# Altium PCB PASTE.PcbDoc (part 7 of 7)
Units mil, origin at the board's own origin, x right, y up, seen from the top; angles counter-clockwise.
Board outline 16220 x 11870 mil, 2 copper layers (Top Layer, Bottom Layer); 340 components, 0 nets, 1500 pads, 1280 vias.
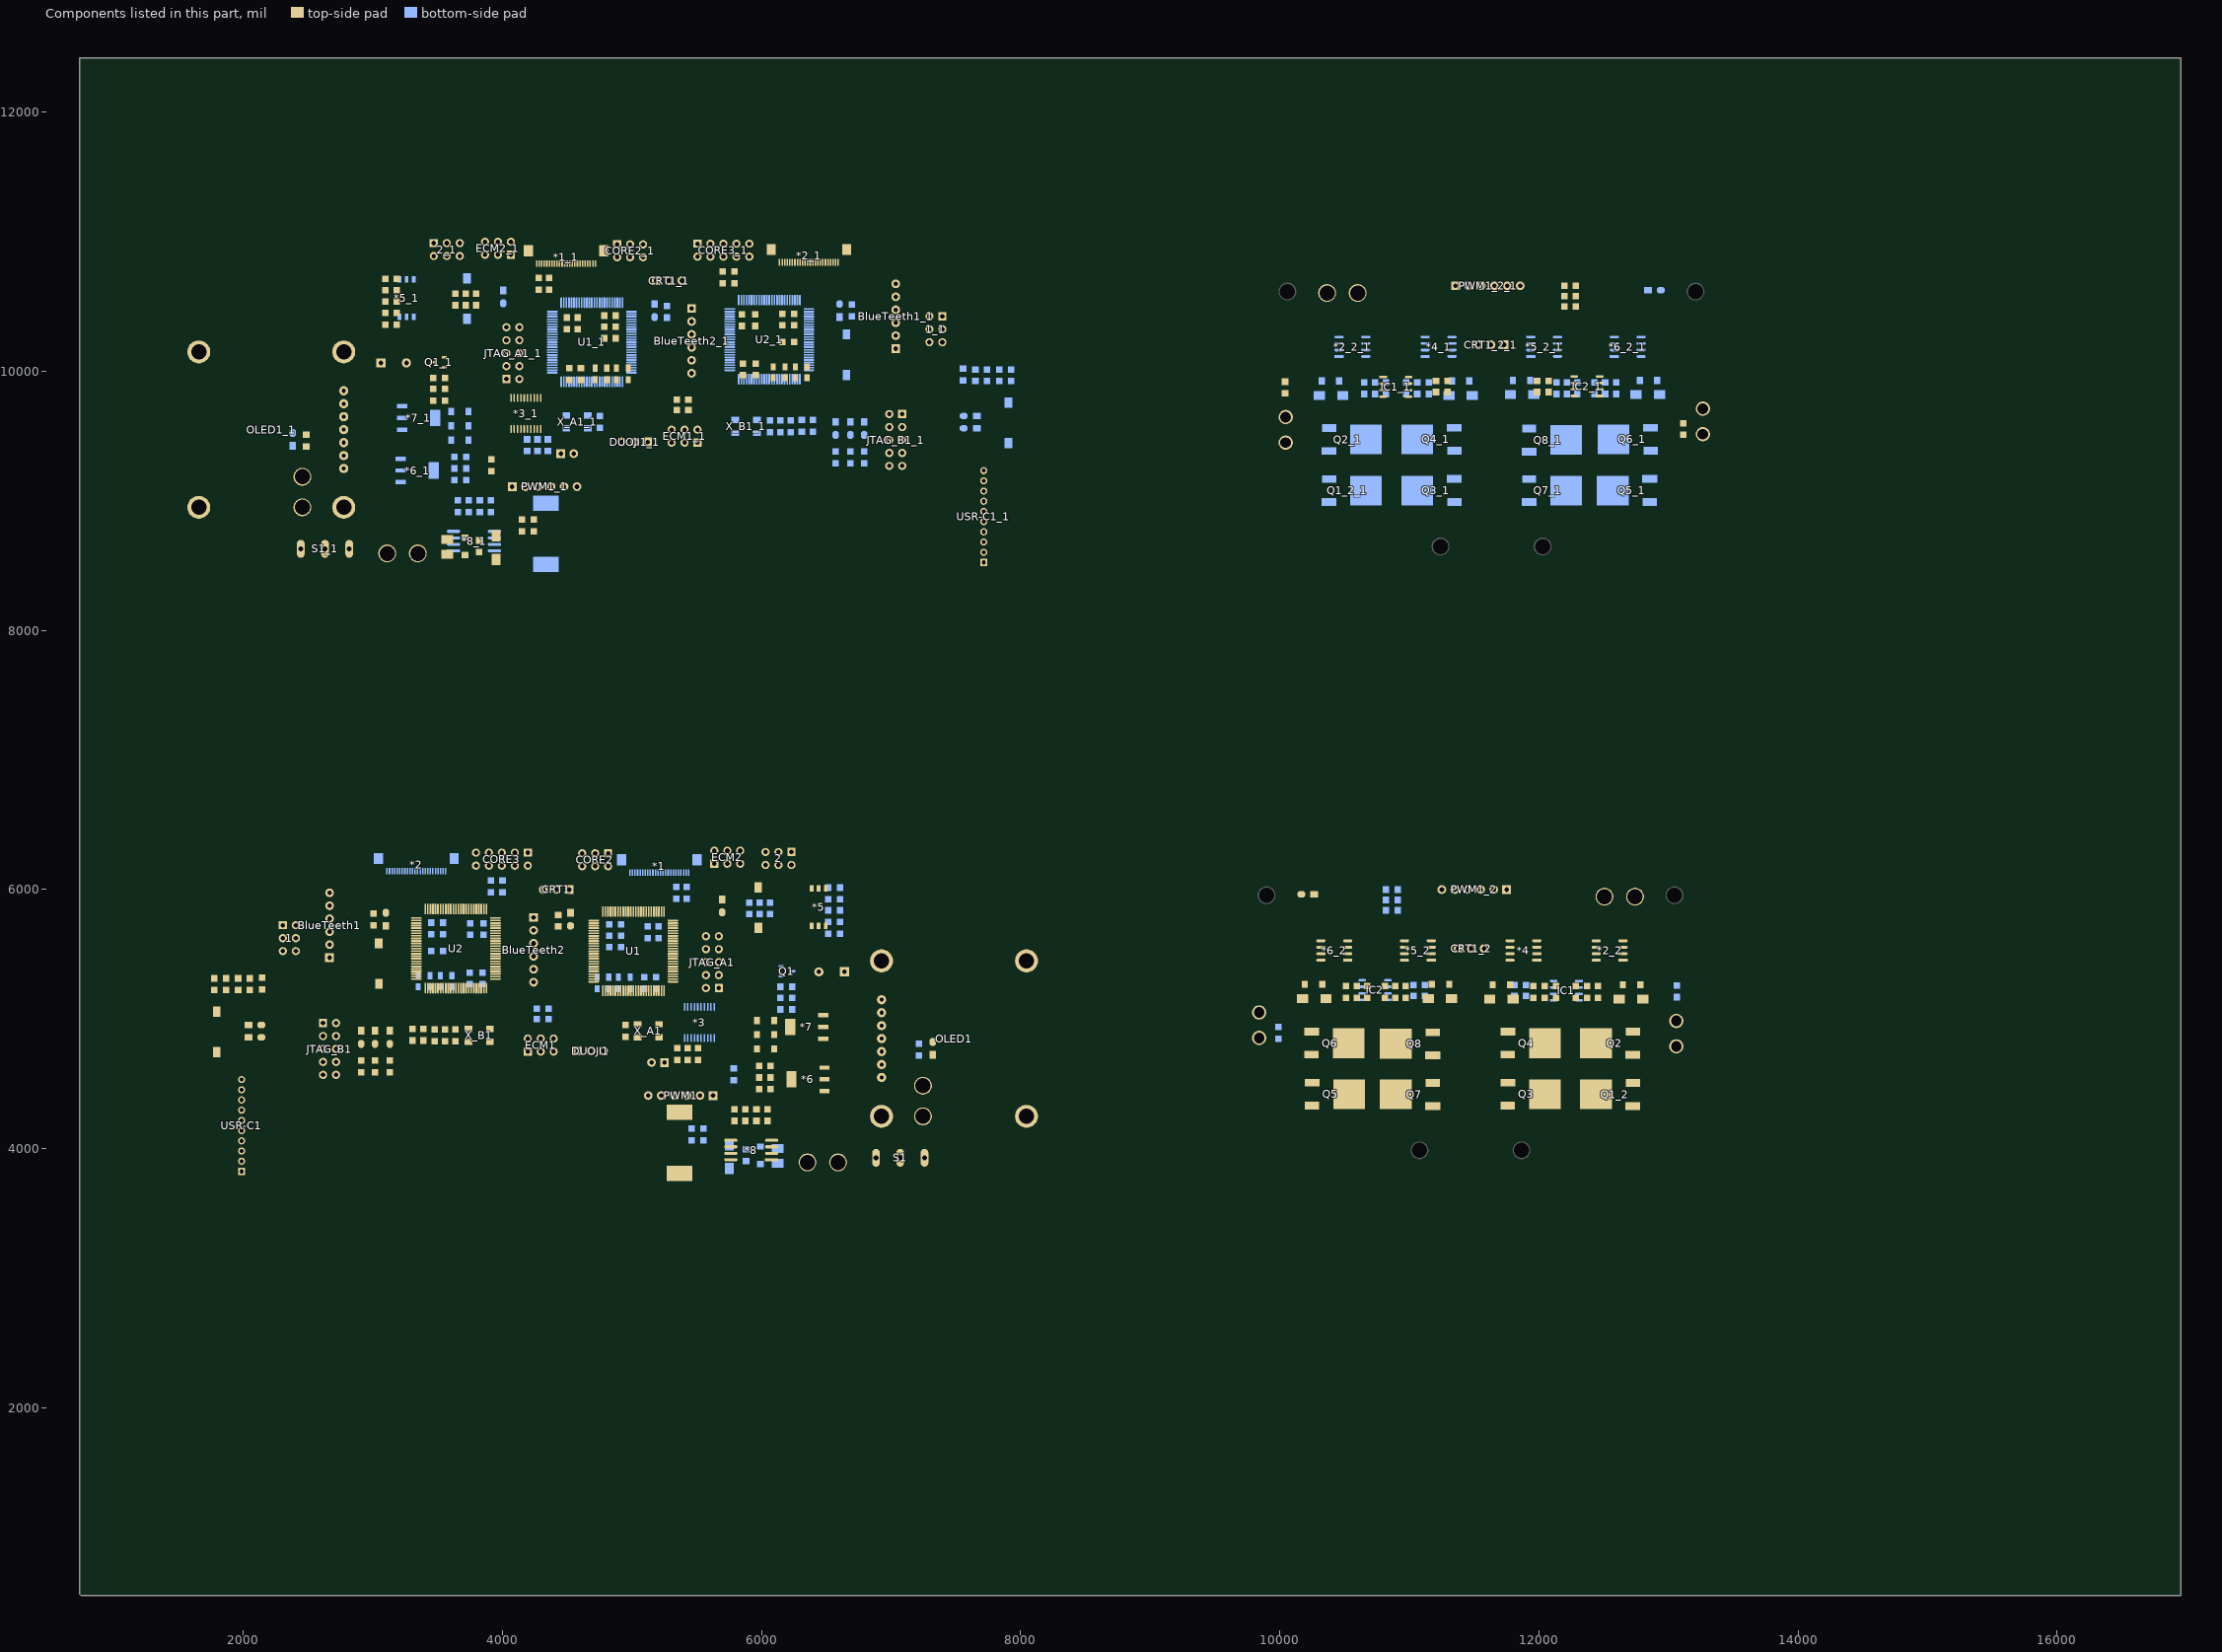
[diagram p7: the components of this part, seen from the top]

## Via types
v1: diameter 20, hole 15, Top Layer to Bottom Layer, tented both sides, 836 vias
v2: diameter 20, hole 10, Top Layer to Bottom Layer, tented both sides, 412 vias
v3: diameter 30, hole 20, Top Layer to Bottom Layer, tented both sides, 22 vias
v4: diameter 177.17, hole 157.48, Top Layer to Bottom Layer, tented both sides, 6 vias
v5: diameter 40, hole 30, Top Layer to Bottom Layer, tented both sides, 4 vias

## Nets (pads, with @x,y where several pads share a name; then routed paths per layer and width w, separated by ;. In a path a pad name is that pad's centre, name@x,y a point inside that pad or via, vN(x,y) a via of type N, cw(c..) or ccw(c..) an arc to the next point about the centre after c; other vN are vias at no path point) (continued)
copper on no net: (continued)
  Bottom Layer w10: 7215,4664.63 ccw(c7423.4,4664.63) 7276.04,4517.26 ; 7215,4688.77 ccw(c7447.55,4688.77) 7283.11,4524.33 ; 7215,4712.91 ccw(c7471.69,4712.91) 7290.18,4531.4 ; 7215,4720 7215,4516.22 7245,4486.22 ; 7215,4810 7215,4850 ; 7216.74,4694.31 cw(c7243.03,4696.78) 7222.7,4713.62 ; 7219,4670.27 cw(c7269.32,4674.99) 7230.4,4707.24 ; 7227,4826 cw(c7245,4850) 7215,4850 ; v2@7230,4870 cw(c7217.93,4870) 7226.46,4861.46 cw(c7235,4852.93) v2@7235,4865 ; v2(7235,4870) 7215,4850 ; v2(7580,9485) 7585,9485 7660,9560 7660,9655 7660,9660 7925,9925 ; v2@7580,9490 ccw(c7580,9514.14) 7597.07,9497.07 ; 7611.4,8545 cw(c7611.4,8422.4) 7698.09,8509.09 ; 7617.32,9517.32 ccw(c7574.64,9560) 7635,9560 ; 7629.39,9529.39 cw(c7655,9503.79) 7655,9540 ; v2@7631.46,8933.54 ccw(c7622.93,8942.07) 7635,8942.07 ccw(c7647.07,8942.07) v2@7638.54,8933.54 ; 7634.39,9534.39 ccw(c7608.79,9560) 7645,9560 ; 7635.54,8545 cw(c7635.54,8446.54) 7705.16,8516.16 ; 7645.86,9574.14 ccw(c7611.72,9608.28) 7660,9608.28 ccw(c7708.28,9608.28) 7674.14,9574.14 ; 7645.86,9640.86 cw(c7611.72,9606.72) 7660,9606.72 cw(c7708.28,9606.72) 7674.14,9640.86 ; 7659.68,8545 cw(c7659.68,8470.68) 7712.23,8523.23 ; 7665,9675 ccw(c7665,9699.14) 7682.07,9682.07 ; 7675,9655 cw(c7723.28,9655) 7689.14,9689.14 ; 7678.39,8871.61 cw(c7646.74,8839.96) 7691.5,8839.96 ; 7683.82,8545 cw(c7683.82,8494.82) 7719.3,8530.3 ; 7685,9655 cw(c7757.43,9655) 7706.21,9706.21 ; 7686.61,8863.39 ccw(c7713.02,8889.8) 7713.75,8852.46 ; 7698.09,8745.31 ccw(c7659.68,8706.9) 7659.68,8761.22 ccw(c7659.68,8815.54) 7698.09,8777.13 ; 7705.16,8752.38 ccw(c7683.82,8731.04) 7683.82,8761.22 ccw(c7683.82,8791.4) 7705.16,8770.06 ; 7713.56,8862.46 cw(c7712.38,8922.37) 7670,8880 ; 7714,8525 7694,8545 7605,8545 7316.06,8833.94 7316.06,9238.94 7085,9470 7085,9570 7044.57,9529.57 ; 7714,8839.96 7710.04,8839.96 7670,8880 ; 7905,9925 cw(c7856.72,9925) 7890.86,9890.86 cw(c7925,9856.72) 7925,9905 ; 7905.79,9757.31 7990,9841.53 7990,9955 7930,10015 7925,10015 ; 7905.79,9781.68 ccw(c7905.79,9840.52) 7947.39,9798.92 ; 7905.79,9791.68 ccw(c7905.79,9874.66) 7964.46,9815.99 ; 7925,9995 cw(c7925,9934.64) 7967.68,9977.32 ; 7925,10005 cw(c7925,9968.79) 7950.61,9994.39 ; 7930.31,9767.16 cw(c7965.77,9767.16) 7940.7,9792.22 ; 7945,10015 ccw(c7981.21,10015) 7955.61,9989.39 ; v1(10390,4990) 10390,4685 10425,4650 10990,4650 v1(11105,4765) ; 10456.65,10165 10525,10165 10540,10180 10540,10250 10625,10335 11025,10335 11301.54,10611.54 11394.68,10611.54 11443.14,10660 11455,10660 ; v1(10635,5040) v1(10880,5040) ; v1(10905,5455) 11020,5455 v1(11070,5405) ; 11121.65,10165 11170,10165 11205,10200 11205,10290 11555,10640 11555,10660 ; 11655,10660 11655,10635 11987.09,10302.91 11987.09,10187.09 11965,10165 11936.65,10165 ; 11755,10660 12080,10335 12200,10335 12370,10165 12581.65,10165 ; 11925.23,9380.45 11969.78,9425 v1(12000,9425) ; 11960.55,9820 12035,9894.45 v1(12035,10065) ; 12130,9830 12130,9795 v1(12225,9700) ; 12130,9915 12075,9970 12075,10225 12110,10260 12138.35,10260 12143.35,10265 ; 12143.35,10165 12190,10165 12230,10125 12230,9915 ; 12143.35,10215 12245,10215 12295,10165 12295,9915 12340,9870 12340,9670 12450,9560 v1(12525,9560) v1(12525,9520) v1(12525,9480) ; v1(12200,10115) 12143.35,10115 12143.35,9977.87 12175,9946.21 12175,9883.79 12193.79,9865 12255,9865 12295,9825 ; 12210,9825 12210,9765.36 12385,9590.36 12385,9370 12475,9280 12744.32,9280 12854.77,9169.55 ; 12425,9915 12475,9865 12626.21,9865 12671.21,9820 12749.45,9820 12749.45,9886.23 12739.45,9896.23 12739.45,10066.1 12788.35,10115 ; v1(12470,9700) 12545,9625 12785,9625 12845.45,9564.55 12859.77,9564.55 ; 12595,9825 12595,9800 12715,9680 v1(12715,9650) ; 3450,5655 3450,5745 ; 3450,5745 3477.36,5745 ; 3477.36,5745 3511.3,5778.94 ; 3511.3,5778.94 3603.94,5778.94 v2(3610,5785) 3620,5795 3655,5795 3660,5790 3660,5745 3675,5730 3740,5730 3750,5740 ; 3645,5335 v2(3680,5300) 3740,5360 3747,5360 3845,5360 ; 3670,10460 3725,10405 3830.43,10299.57 4089.57,10299.57 ; 4089.57,10299.57 4127.5,10337.5 4170.43,10294.57 ; 4170.43,10123.25 4170.43,10294.57 ; 4342.74,10240 4343.56,10240.83 ; 4343.37,10280 4343.56,10280.2 ; 4790,5645 4825,5645 4825,5730 4825,5735 v2(4860,5770) 4866.06,5763.94 4957.84,5763.94 5006.78,5715 5120,5715 ; 4870.8,10571.27 4944.57,10645.03 4944.57,10896.75 4985,10937.18 ; 4910.17,10571.22 5044.57,10705.61 5044.57,10896.75 5085,10937.18 ; 4915,5645 5100,5645 5120,5625 ; 5065,5295 5095,5325 5185,5325 v2(5230,5280) ; 5120,5625 5205,5625 5205,5505 v2(5215,5495) 5230,5480 v2(5230,5280) ; 5120,5625 5120,5655 ; 5227.64,10505 5270,10505 ; 5382.17,6102.4 5420,6064.57 ; 5713.56,10465.39 5750.71,10465.39 5754.57,10461.54 5758.43,10465.39 5795.57,10465.39 ; 5797,9473 5797,9525 ; 5797,9525 5897.21,9525 5929.77,9557.56 5996.23,9557.56 6031.06,9522.73 6031.06,9501.3 6036.3,9496.06 6093.7,9496.06 6098.94,9501.3 6098.94,9558.7 ; 5807.16,10093.94 5823.94,10093.94 ; 5963,9625 5963,9635 ; 6098.94,9558.7 6127.64,9530 6145,9530 ; 6310,9535 6310,9562.36 ; 6310,9562.36 6348.94,9601.3 ; 6310,9630 6310,9660 ; 6350,9505 6400,9555 6942.82,9555 6968.25,9529.57 7044.57,9529.57 ; 6695,10515 6695,10492.87 6728.94,10458.94 ; 4958.93,9980 ccw(c4958.93,9990.4) 4966.28,9983.04 cw(c4958.93,9990.38) 4958.93,9980 ; 5625.67,4883.87 ccw(c5635,4893.2) 5635,4880 cw(c5635,4893.2) 5625.67,4883.87
  Bottom Layer w15: v2(1870,4795) 1915,4840 v2(1915,5175) ; v2(1960,5380) 2135,5205 v2(2135,5020) ; 1986,4533.66 1987.77,4533.66 2064.44,4610.33 2064.44,5140.56 v2(2050,5155) ; 1986,4553.66 ccw(c1986,4606.21) 2023.16,4569.05 ; 2006,4533.66 cw(c2050.02,4533.66) 2018.89,4564.79 ; 2288.03,5541.97 ccw(c2247.07,5582.93) 2305,5582.93 ccw(c2362.93,5582.93) 2321.97,5541.97 ; 2288.03,5608.03 cw(c2247.07,5567.07) 2305,5567.07 cw(c2362.93,5567.07) 2321.97,5608.03 ; 2288.03,5641.97 ccw(c2247.07,5682.93) 2305,5682.93 ccw(c2362.93,5682.93) 2321.97,5641.97 ; 2288.03,5708.03 cw(c2247.07,5667.07) 2305,5667.07 cw(c2362.93,5667.07) 2321.97,5708.03 ; 2305,5525 2305,5625 2305,5725 ; 5871.16,4003.29 cw(c5902.76,3971.68) 5902.76,4016.38 ; 5880,3994.45 5901.93,4016.38 5990,4016.38 ; 5881.77,3992.68 cw(c5938.98,3935.47) 5938.98,4016.38 ; 5892.37,3982.07 cw(c5975.19,3899.26) 5975.19,4016.38 ; 5974.66,4004.98 ccw(c5947.14,3977.46) 5947.14,4016.38 ccw(c5947.14,4055.3) 5974.66,4027.78 ; 6695,10497.5 cw(c6695,10455.25) 6724.87,10485.13 cw(c6754.75,10515) 6712.5,10515 ; 6695,10515 6835,10375 7035,10375 7042.07,10382.07 7312.78,10382.07 7355.72,10425 ; 7016.64,10356.64 ccw(c6972.32,10312.32) 6972.32,10375 ccw(c6972.32,10437.68) 7016.64,10393.36 ; 7042.75,10367.25 cw(c7078.53,10331.47) 7078.53,10382.07 ; 7053.36,10356.64 cw(c7114.74,10295.26) 7114.74,10382.07 ; 7053.36,10393.36 ccw(c7080.62,10420.62) 7080.62,10382.07 ; 7373.65,10414.05 ccw(c7355.72,10404.85) 7355.72,10425 ; 7373.65,10435.95 cw(c7355.72,10445.15) 7355.72,10425 ; 7395,10201 cw(c7395,10143.07) 7435.96,10184.04 cw(c7476.93,10225) 7419,10225 ; 7395,10225 7555,10065 ; 7395,10425 7355.72,10425 ; 7482.45,9607.55 ccw(c7555,9680.1) 7555,9577.5 ; 7508.05,9581.95 ccw(c7555,9628.89) 7555,9562.5 ; 7542.63,10032.37 ccw(c7512.75,10062.25) 7555,10062.25 ccw(c7597.25,10062.25) 7567.37,10032.37 ; 7552.63,9667.37 ccw(c7522.75,9697.25) 7565,9697.25 ccw(c7607.25,9697.25) 7577.37,9667.37 ; 7555,9930 7588.83,9930 7620.26,9961.44 7769.74,9961.44 ; 7555,10020 7555,10065 ; 7560,9560 7530,9560 7440,9650 7440,9750 7490,9800 7655,9800 7690,9835 7690,9875 7740,9925 ; 7560,9655 7565,9660 v2(7565,9720) ; 7569.28,9919.89 cw(c7588.82,9906.06) 7588.82,9930 cw(c7588.82,9953.94) 7569.28,9940.11 ; 7586.18,9985 ccw(c7586.18,10034.13) 7633.24,10020.02 ; 7606.33,9985 ccw(c7606.33,10028.09) 7647.61,10015.72 ; 7626.49,9985 ccw(c7626.49,10022.05) 7661.97,10011.41 ; 7632.5,10015 cw(c7590.25,10015) 7620.13,9985.13 cw(c7650,9955.25) 7650,9997.5 ; 7637.63,9912.63 cw(c7607.75,9882.75) 7650,9882.75 cw(c7692.25,9882.75) 7662.37,9912.63 ; v2(7650,9855) 7650,9925 ; 7650,10015 7620,9985 7586.17,9985 7584.74,9983.56 7525.26,9983.56 7523.83,9985 7470,9985 7400,9915 7400,9425 7674.52,9150.48 ; 7676.43,9150.48 cw(c7676.43,9117.35) 7699.86,9140.78 ; 7696.1,9163.84 cw(c7674.52,9174.6) 7674.52,9150.48 ; 7714,8682.48 7755,8723.48 7755,9100 7752.94,9102.06 7752.94,9171.05 7730.13,9193.86 7698.74,9193.86 7560,9332.6 7560,9405 7600,9445 7880,9445 ; 7714,8702.48 ccw(c7714,8750.76) 7748.14,8716.62 ccw(c7782.28,8682.48) 7734,8682.48 ; 7714,9154.92 7709.56,9150.48 7674.52,9150.48 ; 7722.5,9925 cw(c7680.25,9925) 7710.13,9895.13 cw(c7740,9865.25) 7740,9907.5 ; 7727.63,10027.37 ccw(c7697.75,10057.25) 7740,10057.25 ccw(c7782.25,10057.25) 7752.37,10027.37 ; 7740,10015 v2(7740,10080) ; v2(7785,9875) 7835,9925 7806.17,9925 7769.74,9961.44 ; 7789.87,9941.3 ccw(c7825.35,9976.77) 7834.54,9927.46 ; 7810.01,9921.17 ccw(c7831.67,9942.84) 7837.29,9912.71 ; 7817.5,9925 cw(c7775.25,9925) 7805.13,9895.13 cw(c7835,9865.25) 7835,9907.5 ; 7819.47,9916.93 ccw(c7806.18,9910.01) 7806.18,9925 ccw(c7806.18,9939.99) 7819.47,9933.07 ; 7822.63,10027.37 ccw(c7792.75,10057.25) 7835,10057.25 ccw(c7877.25,10057.25) 7847.37,10027.37 ; 7831.79,9942.2 cw(c7819.02,10010.71) 7769.74,9961.43 ; 7835,10015 7835,10070 7755,10150 7565,10150 7555,10140 7555,10065 ; 7848.51,9476.49 ccw(c7888.82,9516.8) 7903.22,9461.64 ; 7867.02,9457.98 ccw(c7896.49,9487.45) 7907.01,9447.13 ; 7889.42,9429.42 ccw(c7851.82,9391.82) 7851.82,9445 ccw(c7851.82,9498.18) 7889.42,9460.58 ; 7899.43,9476.16 cw(c7881.16,9546.15) v2(7830,9495) 7880,9445 ; 7905,9445 7880,9445 ; v1(10265,5410) 10265,5436.11 10202.5,5498.61 10202.5,5566.39 10218.61,5582.5 10392.97,5582.5 10420.47,5555 v1(10595,5555) ; 10304.45,9815 10346.93,9815 10456.93,9925 10456.65,9925.28 10456.65,10115 10400,10115 10380,10135 10380,10200 v1(10390,10210) 10395,10215 10456.65,10215 ; 10380.23,8990.45 10395.45,8990.45 v1(10470,9065) ; 10380.23,9385.45 10465,9470.22 10465,9545 10650,9730 10650,9825 ; 10485.55,9815 10485.55,9784.45 v1(10570,9700) ; v1(10630,9650) 10735,9755 10735,9825 ; 10650,9915 10650,9965 10565,10050 10565,10210 10620,10265 10663.35,10265 ; 10663.35,10115 10710,10115 10777.5,10047.5 10777.5,9882.75 10820,9840.25 10820,9825 10820,9760 v1(10760,9700) ; 10663.35,10165 10615,10165 10595,10145 10595,10110 10730,9975 10730,9920 10735,9915 ; 10663.35,10215 10735,10215 10820,10130 10820,9915 10820,9899.75 10862.5,9857.25 10862.5,9672.15 v1@10665.35,9475 ; v1(10770,5455) 10866.11,5455 10893.61,5482.5 11024.32,5482.5 11051.82,5455 v1(11225,5455) ; 10910,6000 11250,6000 ; 10975,9825 10975,9770 11010,9735 v1(11015,9735) ; 10977.32,9557.32 10932.5,9602.15 10932.5,9857.25 10975,9899.75 10975,9915 10985,9925 v1(10985,10005) ; 11017.32,9517.32 v1@11059.65,9475 ; v1(11025,5735) 11075,5685 11075,5605 11120,5560 v1(11260,5560) ; 11060,9825 11075.25,9825 11122.75,9872.5 11177.5,9872.5 11210,9840 11210,9778.05 11344.77,9643.28 11344.77,9564.55 ; 11060,9915 11060,10051.11 10980,10131.11 10980,10245 11100,10365 v1(11230,10365) ; 11121.65,10115 v1(11035,10115) 11005,10145 11005,10205 v1(11030,10230) 11106.65,10230 11121.65,10215 ; 11145,9915 11145,10045 11265,10165 11328.35,10165 ; 11150,9825 11150,9760 11269.77,9640.23 11269.77,9352.8 11344.77,9277.8 11344.77,9169.55 ; v1(11325,9735) 11325,9788.9 11304.45,9809.45 11304.45,9815 11250,9869.45 11250,9990 11328.35,10068.35 11328.35,10115 ; 11328.35,10215 11333.35,10220 v1(11410,10220) ; 11328.35,10265 11328.35,10268.35 v1(11370,10310) ; v1(11345,10040) 11345,9941.93 11328.07,9925 11438.07,9815 11485.55,9815 11774.45,9815 11779.45,9820 11889.45,9930 11931.93,9930 11931.93,10110.28 11936.65,10115 v1@11885,10115 ; 11375,5545 11402.93,5545 11453.89,5595.96 12003.28,5595.96 12175,5424.25 12175,5280 12140,5245 12111.57,5245 ; v1(11695,5560) 12003.89,5560 12097.5,5466.39 12097.5,5367.5 v1(12120,5345) ; v1(11735,5650) 11820,5650 v1(11875,5705) ; v1(11760,5380) 11835,5380 11910,5455 v1(12070,5455) ; v1(11780,5075) v1(12090,5075) ; v1(11845,10220) 11931.65,10220 11936.65,10215 11890,10215 11860,10185 11860,10140 v1@11882.5,10117.5 ; 11855,10660 12080,10435 v1(12080,10395) ; 11900,5180 12096.57,5180 12111.57,5195 ; v1(12075,5570) 12695,5570 v1(12715,5550) ; v1(12095,4730) v1(12095,4770) v1(12095,4810) v1(12095,4850) v1(12135,4890) 12308.43,5063.43 12308.43,5145 12308.43,5195 ; 12308.43,5245 12308.43,5295 ; v1(12335,10115) 12581.65,10115 12630,10115 12655,10140 12655,10195 12635,10215 12581.65,10215 v1(12510,10215) ; v1(12345,5040) v1(12535,5040) ; v1(12475,4990) 12550,4990 12635,4905 v1(12635,4405) ; v1(12840,10070) 12778.07,10008.07 12778.07,9930 12888.07,9820 12930.55,9820
  Bottom Layer w20: 2365,9347.57 cw(c2452.43,9347.57) 2390.61,9409.39 ; 2365,9395.86 cw(c2404.14,9395.86) 2376.46,9423.54 ; 2380,9425 2365,9410 2365,8707.99 ; 2389.62,8683.37 ccw(c2428.95,8722.7) 2443.11,8668.91 ; 2414.24,8658.75 ccw(c2439.21,8683.73) 2448.2,8649.57 ; 2438.02,8688.25 cw(c2418.69,8761.68) 2365,8707.99 ; 2438.86,8634.13 ccw(c2449.47,8644.75) 2453.3,8630.23 ; 2442.99,8630 2365,8707.99 ; 2455,9186.22 2518.78,9250 ; 2476.39,9241.1 ccw(c2490.77,9278.01) 2518.78,9250 ; 2509.88,9207.61 cw(c2546.79,9221.99) 2518.78,9250 ; 2740,9250 2518.78,9250 ; 2756.46,9232.02 ccw(c2713.05,9188.6) 2713.05,9250 ccw(c2713.05,9311.4) 2756.46,9267.98 ; 2774.45,9250 3200,9250 3215,9235 3470,9235 3485,9250 ; 2792.43,9232.02 cw(c2835.85,9188.6) 2835.85,9250 cw(c2835.85,9311.4) 2792.43,9267.98 ; v2(3040,10305) 3061.57,10283.43 3061.57,10065 3225,9901.57 3225,9730.55 3225.94,9731.5 3695.43,9731.5 3736.93,9690 3810,9690 v2(3820,9680) ; 3139.9,9250 cw(c3139.9,9182.53) 3187.6,9230.24 ; v2(3150,9500) 3199.45,9549.45 3225,9549.45 3215,9539.45 3215,9325.55 3345.55,9325.55 v3(3515,9495) ; 3185.9,9535.9 cw(c3202.36,9519.43) 3202.36,9542.72 ; 3215,9144.45 3500.55,9144.45 3540,9105 3695,9105 ; 3215,9509.05 cw(c3265.4,9509.05) 3229.76,9544.69 ; 3225,9640 3480,9640 ; v2(3395,9865) 3670,9865 v2(3765,9770) ; 3449.23,9214.23 ccw(c3399.09,9164.09) 3399.09,9235 ccw(c3399.09,9305.91) 3449.23,9255.77 ; 3459.23,9619.23 ccw(c3409.09,9569.09) 3409.09,9640 ccw(c3409.09,9710.91) 3459.23,9660.77 ; v2(3485,8750) 3535,8800 ; 3557.62,8752.62 cw(c3583.15,8727.08) 3583.15,8763.19 ; v2(3560,8845) 3560,8880 3616.06,8936.06 3616.06,8945.77 3624.23,8953.94 3673.65,8953.94 3724.71,9005 3740,9005 ; 3566.14,8673.86 ccw(c3583.15,8690.87) 3583.15,8666.81 ; v2(3570,9200) 3620,9250 3630,9250 ; 3587.32,9217.32 cw(c3630,9174.64) 3630,9235 ; 3593.44,9456.43 cw(c3570.18,9433.18) 3603.07,9433.18 cw(c3635.96,9433.18) 3612.7,9456.43 ; 3593.44,9483.57 ccw(c3570.18,9506.82) 3603.07,9506.82 ccw(c3635.96,9506.82) 3612.7,9483.57 ; 3593.44,9566.43 cw(c3570.18,9543.18) 3603.07,9543.18 cw(c3635.96,9543.18) 3612.7,9566.43 ; 3593.44,9593.57 ccw(c3570.18,9616.82) 3603.07,9616.82 ccw(c3635.96,9616.82) 3612.7,9593.57 ; 3593.44,9676.43 cw(c3570.18,9653.18) 3603.07,9653.18 cw(c3635.96,9653.18) 3612.7,9676.43 ; 3602.99,9692.44 cw(c3603.45,9656.87) 3628.6,9682.03 ; 3603.07,9392.94 ccw(c3682.94,9392.94) 3626.46,9336.46 ; 3603.07,9441.23 ccw(c3731.23,9441.23) 3640.61,9350.61 ; 3603.25,9672.44 cw(c3604.32,9590.7) 3662.12,9648.51 ; 3615,9340 ccw(c3578.79,9340) 3604.39,9365.61 ccw(c3630,9391.21) 3630,9355 ; 3619.39,9170.61 ccw(c3593.79,9196.21) 3630,9196.21 ccw(c3666.21,9196.21) 3640.61,9170.61 ; 3619.39,9239.39 cw(c3593.79,9213.79) 3630,9213.79 cw(c3666.21,9213.79) 3640.61,9239.39 ; 3619.39,9260.61 ccw(c3593.79,9286.21) 3630,9286.21 ccw(c3666.21,9286.21) 3640.61,9260.61 ; 3619.39,9329.39 cw(c3593.79,9303.79) 3630,9303.79 cw(c3666.21,9303.79) 3640.61,9329.39 ; 3622.52,8615 3622.52,8572.48 v2(3725,8470) ; 3622.52,8665 3575,8665 3535,8705 3535,8730 ; 3622.52,8715 3700,8715 3770,8645 3770,8525 v2(3790,8505) ; 3630,9160 3630,9250 ; 3644.39,8994.39 ccw(c3618.79,8968.79) 3618.79,9005 ccw(c3618.79,9041.21) 3644.39,9015.61 ; 3655,8915 3740,8915 3890,8765 3937.48,8765 ; 3655,9005 3615,9005 v2(3570,9050) 3535,9015 3535,8800 ; v3(3665,9580) 3735,9580 ; 3665.61,8904.39 cw(c3691.21,8878.79) 3691.21,8915 cw(c3691.21,8951.21) 3665.61,8925.61 ; 3688.29,8968.58 cw(c3740,8916.87) 3740,8990 ; v2(3705,8860) 3850,8715 3937.48,8715 ; 3705.93,9154.81 cw(c3661.57,9138.44) 3695,9105 ; 3711,9148 cw(c3697.5,9130) 3720,9130 ; 3717.09,9127.09 ccw(c3693.84,9150.35) 3724.69,9161.73 ; 3720,9145 cw(c3720,9024.29) 3805.36,9109.64 ; 3720,9165 cw(c3720,9092.57) 3771.21,9143.79 ; 3720,9340 v2(3785,9340) ; 3722.92,8765 cw(c3722.92,8747.92) v2(3735,8760) 3730,8765 3622.52,8765 3570,8765 3535,8730 ; 3729,9148 ccw(c3742.5,9130) 3720,9130 ; 3729.39,8904.39 ccw(c3703.79,8878.79) 3703.79,8915 ccw(c3703.79,8951.21) 3729.39,8925.61 ; 3730.61,9149.39 cw(c3756.21,9123.79) 3756.21,9160 cw(c3756.21,9196.21) 3730.61,9170.61 ; 3730.61,9239.39 cw(c3756.21,9213.79) 3756.21,9250 cw(c3756.21,9286.21) 3730.61,9260.61 ; 3730.86,9149.66 cw(c3755,9126.67) 3755,9160 ; 3730.86,9170.34 ccw(c3755,9193.33) 3755,9160 ; 3736.93,9452.44 cw(c3736.93,9342.28) 3814.82,9420.18 ; 3736.93,9472.44 cw(c3736.93,9410.56) 3780.68,9454.32 ; 3736.93,9487.56 ccw(c3736.93,9529.95) 3766.9,9499.98 ; 3736.93,9580 3735,9580 ; 3740,8900 cw(c3740,8863.79) 3765.61,8889.39 cw(c3791.21,8915) 3755,8915 ; 3747.63,9461.57 cw(c3765,9447.89) 3765,9470 ; 3747.63,9478.43 ccw(c3765,9492.11) 3765,9470 ; 3750.55,9473.94 cw(c3773.93,9473.94) 3757.4,9490.47 ; v2(3790,9280) 3760,9250 3720,9250 3670,9300 3670,9515 3735,9580 ; v2(3795,9610) 3795,9528.07 3736.93,9470 3765,9470 ; 3825,8915 3910,8915 4050,8775 4050,8705.01 4010,8665 ; 3825,8990 cw(c3825,8953.79) 3850.61,8979.39 cw(c3876.21,9005) 3840,9005 ; 3825,9005 3876.06,8953.94 3951.06,8953.94 4075,8830 v2(4075,8665) ; 3835.61,8904.39 cw(c3861.21,8878.79) 3861.21,8915 cw(c3861.21,8951.21) 3835.61,8925.61 ; 3843.94,9928.42 ccw(c3813.42,9928.42) v2(3835,9950) ; 3843.94,9937.36 ccw(c3830.53,9937.36) v2(3835,9950) ; v2(3865,9280) 4365,9280 4450,9365 4482.96,9365 4549.5,9431.54 4736.54,9431.54 v3(4815,9510) ; 3881.17,8773.83 ccw(c3898.11,8790.77) 3898.11,8766.81 ; 3895,9005 ccw(c3858.79,9005) 3884.39,9030.61 ccw(c3910,9056.21) 3910,9020 ; 3899.39,8904.39 ccw(c3873.79,8878.79) 3873.79,8915 ccw(c3873.79,8951.21) 3899.39,8925.61 ; 3910,8900 cw(c3910,8863.79) 3935.61,8889.39 cw(c3961.21,8915) 3925,8915 ; 3920.61,9015.61 ccw(c3958.28,9053.28) v2@3958.28,9000 ; 3937.48,8615 v2(4015,8615) ; 3937.48,8665 4010,8665 ; v2(3965,9000) 3915,9000 3910,9005 3755,9160 ; 3990.86,9715 cw(c3990.86,9680.86) v2(4015,9705) 4005,9715 3843.94,9715 ; v2(3995,9360) 4232.56,9597.56 4527.3,9597.56 4534.86,9590 v2(4595,9590) ; 4075,4820 4075,4910 v3(4115,4950) ; v2(4110,8630) 4330,8850 4330,8946.22 ; 4223.69,8473.78 ccw(c4223.69,8517.15) 4266.77,8512.14 ; 4246.15,8473.78 ccw(c4246.15,8514.54) 4286.64,8509.83 ; 4246.9,8514.45 cw(c4201.22,8519.77) 4201.22,8473.78 ; 4270,9385 4280,9385 v3(4330,9335) ; 4300.31,8946.53 cw(c4228.64,8874.86) 4330,8874.86 ; 4330,8473.78 4201.22,8473.78 ; 4330,8850.72 cw(c4465.5,8850.72) 4369.69,8946.53 ; 4330,8899 cw(c4417.22,8899) 4355.55,8960.68 ; 4450,9368.46 ccw(c4450,9456.41) 4512.19,9394.22 ; 4450,9388.46 ccw(c4450,9524.7) 4546.33,9428.37 ; v2(4500,8840) 4622.4,8962.4 4622.4,9129.63 4620,9132.04 4620,9335 4692.6,9407.6 4939.63,9407.6 ; v3(4815,4885) 4815,4880 v3(4885,4810) ; v3@4820,4885 ccw(c4844.14,4885) 4827.07,4867.93 ; v3(4885,9585) 4911.06,9611.06 5464.91,9611.06 5503.85,9650 v3(5585,9650) ; 4966.95,9434.92 cw(c5009.28,9392.59) 5019.41,9451.59 ; 5016.03,9431.87 ccw(c5001.27,9345.96) 4939.64,9407.6 ; 5020,9455 4987.04,9455 4939.63,9407.6 ; 5077.6,4145 5077.6,4437.04 5085,4444.44 5085,4600 5150,4665 5215,4600 5335,4600 v3(5370,4635) ; 5080,4115 5210,3985 5470,3985 5550,4065 ; v2(5085,4965) 5085,4910 v2(5105,4890) ; 5125,4410 5157.96,4410 5205.37,4362.6 ; 5125.59,4406.59 cw(c5135.72,4347.59) 5178.05,4389.92 ; 5128.97,4386.87 cw(c5143.73,4300.96) 5205.36,4362.6 ; v2(5200,4140) 5445,4140 5460,4155 5460,4065 ; 5387.57,4140 ccw(c5387.57,4227.43) 5449.39,4165.61 ; 5435.86,4140 ccw(c5435.86,4179.14) 5463.54,4151.46 ; 5449.39,4075.61 ccw(c5423.79,4101.21) 5460,4101.21 ccw(c5496.21,4101.21) 5470.61,4075.61 ; 5449.39,4144.39 cw(c5423.79,4118.79) 5460,4118.79 cw(c5496.21,4118.79) 5470.61,4144.39 ; 5535,4065 cw(c5498.79,4065) 5524.39,4039.39 cw(c5550,4013.79) 5550,4050 ; 5535,4155 ccw(c5498.79,4155) 5524.39,4180.61 ccw(c5550,4206.21) 5550,4170 ; 5560.61,4144.39 cw(c5586.21,4118.79) 5586.21,4155 cw(c5586.21,4191.21) 5560.61,4165.61 ; v2(5590,3930) 5671.1,3848.9 5750,3848.9 5828.9,3770 v2(5975,3770) ; v2(5625,3965) 5675,3915 v2(5685,3915) cw(c5685,3939.14) 5667.93,3922.07 ; 5635,4855 5635,4955 v2(5685,5005) ; 5693.14,4086.86 ccw(c5750,4143.72) 5750,4063.31 ; v2(5705,4660) 5745,4660 5785,4620 ; 5714.53,4065.47 cw(c5687.91,4038.86) 5725.55,4038.86 ; 5732.71,3831.61 ccw(c5690.98,3789.87) 5690.98,3848.9 ccw(c5690.98,3907.92) 5732.71,3866.19 ; 5734.98,4034.83 cw(c5776.15,4045.87) 5746.01,4076.01 ; v2(5735,4300) 5875,4160 v2(5995,4160) ; 5738.31,4060.33 ccw(c5727.61,4080) 5750,4080 ; 5750,3815.59 cw(c5750,3735.18) 5806.86,3792.04 ; 5754.3,4040.01 cw(c5814.79,4056.22) 5770.5,4100.5 ; 5761.69,4060.33 cw(c5772.39,4080) 5750,4080 ; 5773.62,4045.19 cw(c5853.42,4066.58) 5795,4125 ; 5774.45,3840.04 ccw(c5812.09,3840.04) 5785.47,3813.42 ; v2(5835,4580) v2(5910,4580) ; 5869.39,3893.84 cw(c5843.79,3868.24) 5880,3868.24 cw(c5916.21,3868.24) 5890.61,3893.84 ; 5880,3904.45 5880,3835 v2(5910,3805) ; v2(5880,4980) 5832.5,4932.5 5785,4885 5785,4620 ; v2(5905,4910) 5905,5040 v2(5935,5070) ; v2(5915,4640) 5805,4640 5785,4620 ; 5973.33,4021.21 ccw(c5939.17,4034.17) v2(5965,4060) 5990,4035 5990,4016.38 ; 6030,6190 6130,6190 6230,6190 6510,6190 7065,5635 7065,4850 7015,4800 v2(6550,4800) ; v3(6035,4880) 6100,4880 v3(6185,4795) ; 6045.2,6174.8 cw(c6081.9,6138.1) 6081.9,6190 cw(c6081.9,6241.9) 6045.2,6205.2 ; 6107.02,4020.07 ccw(c6063.6,4063.49) 6125,4063.49 ccw(c6186.4,4063.49) 6142.98,4020.07 ; 6114.8,6174.8 ccw(c6078.1,6138.1) 6078.1,6190 ccw(c6078.1,6241.9) 6114.8,6205.2 ; 6116.86,4020.07 ccw(c6060.99,4075.94) 6140,4075.94 ; 6125,3887.91 6215,3977.91 v2(6215,4050) ; v2(6130,4350) v2(6130,4500) ; 6134.84,3913.35 ccw(c6134.84,3950.99) 6161.46,3924.37 ; 6140,4051.04 ccw(c6183.79,4051.04) 6152.83,4020.07 ; v2(6140,4145) 6140,4017.09 6125,4002.09 6125,4070 6070,4125 5795,4125 ; 6145.2,6174.8 cw(c6181.9,6138.1) 6181.9,6190 cw(c6181.9,6241.9) 6145.2,6205.2 ; 6160.28,3887.91 cw(c6245.44,3887.91) 6185.22,3948.13 ; 6214.8,6174.8 ccw(c6178.1,6138.1) 6178.1,6190 ccw(c6178.1,6241.9) 6214.8,6205.2 ; 6235,5165 v2(6305,5165) ; 6239.29,5370 6436.57,5370 6441.57,5365 ; 6245.2,6174.8 cw(c6281.9,6138.1) 6281.9,6190 cw(c6281.9,6241.9) 6245.2,6205.2 ; 6245.61,5154.39 cw(c6271.21,5128.79) 6271.21,5165 cw(c6271.21,5201.21) 6245.61,5175.61 ; 6368.1,5370 cw(c6368.1,5291.53) 6423.59,5347.02 ; 6392.25,5370 ccw(c6392.25,5414.33) 6423.59,5382.98 ; 6605,5660 v2(6660,5605) ; v1(10230,5555) 10381.57,5555 v1(10595,5341.57) 10636.57,5300 10636.57,5250 ; v1(10235,5505) 10350,5505 v1(10450,5405) ; 10323.07,9925 10323.07,10213.07 10375,10265 10456.65,10265 10828.19,10636.54 11331.54,10636.54 11355,10660 11455,10760 12805,10760 12940,10625 12940,10262.43 12905,10227.43 ; v1(10510,5000) 10530,4980 v1(10805,4980) ; 10636.57,5150 10636.57,5200 ; v1(10665,4950) 10730,4885 v1(10805,4885) ; 10820,6000 10820,5920 10820,5840 10705,5725 10705,5200 10755,5150 10833.43,5150 11000,5150 11030,5180 11085,5125 11405,5125 11590,5310 11843.28,5310 11888.28,5265 11900,5265 11930,5295 12111.57,5295 ; 10833.43,5200 10800,5200 10750,5250 10750,5335 10790,5375 11305,5375 11475,5545 ; 10833.43,5250 11015,5250 11030,5265 ; 10833.43,5300 10843.43,5310 11063.28,5310 11108.28,5265 11120,5265 ; v1(10880,5760) 10910,5790 10910,5840 10898.28,5840 ; 10910,5920 10955,5920 v1(11220,5655) 11505,5655 11750,5900 ; v1(11060,9550) v1(11060,9510) v1(11060,9470) v1(11060,9430) v1(11060,9390) 11060,9357.15 11245,9172.15 11245,9092.32 11345.77,8991.55 ; 11120,5180 11120,5265 ; 11121.65,10265 11121.65,10286.65 v1(11135,10300) ; v1(11515,9880) 11470,9925 11461.93,9925 11530,9993.07 11530,10198.07 ; 11575,5545 11295,5265 11120,5265 ; v1(11590,5220) 11635,5265 11810,5265 11810,5180 11855,5135 12101.57,5135 12111.57,5145 ; 11750,6000 11750,5900 ; 11798.07,9930 11530,10198.07 ; v1(11885,10315) 11935,10265 ; 11925.23,8990.45 11859.55,8990.45 11750,9100 11750,9390 11845,9485 11975,9485 12015,9525 12015,9610 12045,9640 v1(12300,9640) ; 11936.65,10265 11935,10265 ; v1(11970,5640) 11970,5680 11750,5900 ; v1(12225,10420) 12635,10420 12840,10625 ; v1(12440,9610) 12440,9815 12430,9825 12430,9836.72 12380,9886.72 12380,9950 12431.57,10001.57 v1(12510,10001.57) ; 12510,9830 12595,9745 v1(12595,9660) ; 12510,9915 12655,10060 v1(12655,10065) ; 12581.65,10265 12620,10265 12650,10295 12750.14,10295 12750.97,10295.83 12836.6,10295.83 12905,10227.43 ; 12595,9915 12700,10020 12700,10235 12730,10265 12788.35,10265 ; 12788.35,10165 v1(12870,10165) ; 12788.35,10215 v1(12875,10215) ; 12911.93,9930 12905,9936.93 12905,10227.43 ; 3535,8730 3535,8800 ; 3630,9250 3630,9340 3603.07,9366.93 3603.07,9470 3603.07,9580 3603.07,9690 3620.63,9690 3662.13,9648.5 3822.36,9648.5 3843.94,9670.08 3843.94,9715 ; 3695,9105 3720,9130 ; 3720,9130 3720,9160 ; 3720,9160 3755,9160 ; 3720,9160 3760,9160 3825,9225 3825,9410 3765,9470 ; v2(3835,9950) 3843.94,9941.06 3843.94,9715 ; 4010,8665 4201.22,8473.78 ; 5205.37,4362.6 5342.4,4362.6 5550,4155 5625,4155 5750,4030 5750,4080 ; 5750,4080 5795,4125 ; 11530,10198.07 11530,10205 11590,10265 11935,10265
  Bottom Layer w30: 3110,8595 3215,8700 3215,9144.45 ; 3110,8648.9 ccw(c3110,8779.02) 3202.01,8687.01 ccw(c3294.02,8595) 3163.9,8595
  Bottom Layer w40: 3346.22,8546.1 cw(c3346.22,8428.05) 3429.69,8511.53 cw(c3513.17,8595) 3395.12,8595 ; 3346.22,8595 3516.22,8425 4540,8425 4620,8505 v3(4620,8600) ; 3480,9640 3540,9580 ; 3483.63,9597.35 cw(c3495.43,9535.43) 3540,9580 ; 3483.7,9272.32 ccw(c3537.58,9326.2) 3537.58,9250 ; 3485,9250 3620,9250 ; 3603.07,9580 3540,9580 ; 4190,9385 4270,9385 ; 4280,9385 4350,9385 ; 5077.6,4145 5080,4142.6 5080,4115 v3(5080,3900) ; 9990,4940 10075,4940 v5(10085,4950) ; v5(10040,9990) 10258.07,9990 10323.07,9925 ; 12911.93,9930 12990,9930 13020,9900 v5(13020,9610) ; 13065,5260 v5(13065,5330)
  Bottom Layer w60: 9840,5051.85 10538.43,5051.85 10636.57,5150 ; 9990,4850 10100,4740 v1(10205,4740) v1(10235,4740) v1(10265,4740) ; 10045,9665 10305,9665 ; 10205,4725 10235,4725 ; 10245,4725 10247.5,4722.5 ; 10275,4695 10390,4580 11040,4580 11225,4765 v1(11225,4885) v1(11200,4885) v1(11170,4885) v1(11140,4885) ; v1(11140,4915) v1(11170,4915) v1(11200,4915) v1(11225,4915) ; 11390,9386.55 11611.55,9386.55 11783.45,9558.45 11880,9558.45 ; 11710,4725 11755,4725 11755,4385 12060,4080 12690,4080 12880,4270 12880,4820 12815,4885 v1(12770,4885) 12700,4885 ; 11790,4730 11795,4725 ; 11924.23,9168.45 11924.23,9183.87 v1@12210.35,9470 ; 12308.43,5245 12555,5245 12795,5005 v1(12820,5005) ; 12741.22,5945 12960,5726.22 12960,5100 ; v1@12770,4910 12870,4910 12960,5000 12960,5100 ; 13065,5170 13030,5170 12960,5100
  Bottom Layer w80: 2442.99,8630 2442.99,8597.01 2550,8490 3005,8490 3110,8595 ; 3081.1,8595 cw(c3011.34,8595) 3060.67,8545.67 cw(c3110,8496.34) 3110,8566.1 ; 7070,3930 7245,4105 7245,4250 ; 7070,3958.9 ccw(c7070,4028.66) 7119.33,3979.33 ; 7224.57,4229.57 cw(c7175.23,4180.23) 7245,4180.23 cw(c7314.77,4180.23) 7265.43,4229.57 ; 10045,9450 10045,9395 10271.55,9168.45 10379.23,9168.45 10665.35,9454.57 v1@10665.35,9475 ; 10600,10605 10410,10415 10046.89,10415 9916.89,10285 9916.89,9038.11 10045,8910 10495.35,8910 v1@10665.35,9080 ; v1(10710,9080) v1(10755,9080) v1(10965,9080) v1(11005,9080) ; v1@11059.65,9080 11359.65,8780 12080,8780 12210.35,8910.35 v1@12210.35,9080 ; v1(12255,9080) v1(12300,9080) v1@12569.65,9080 ; v1@12574.65,9475 13225,9475 13265,9515 13265,9400.78 12855.77,8991.55
  other v1: 5100,3700 6500,3705 2575,3720 2750,3765 2010,3783.5 1805,3800 3720,3830 2335,3835 2430,3850 2750,3855 2550,3865 1650,3880 2420,3880 2845,3920 1770,3965 2610,4005 1840,4025 2540,4060 3755,4060 2700,4085 6390,4085 1700,4095 6320,4110 1760,4180 1730,4190 3770,4190 1755,4205 1810,4205 2790,4225 2595,4230 6350,4240 1625,4250 6400,4310 10445,4335 10490,4335 10535,4335 10585,4335 10625,4335 2540,4340 10805,4340 10850,4340 10895,4340 10945,4340 10985,4340 11960,4340 12005,4340 12050,4340 12100,4340 12140,4340 12350,4340 12395,4340 12440,4340 12490,4340 12530,4340 2710,4355 3670,4370 3770,4375 10445,4375 10490,4375 10535,4375 10585,4375 10625,4375 1810,4380 10805,4380 10850,4380 10895,4380 10945,4380 10985,4380 11960,4380 12005,4380 12050,4380 12100,4380 12140,4380 12350,4380 12395,4380 12440,4380 12490,4380 12530,4380 1700,4400 3035,4400 3345,4400 10445,4415 10490,4415 10535,4415 10585,4415 10625,4415 5780,4420 10895,4420 10945,4420 10985,4420 11960,4420 12005,4420 12050,4420 12440,4420 12490,4420 12530,4420 10445,4455 10490,4455 10535,4455 10585,4455 10625,4455 10805,4460 10850,4460 10895,4460 10945,4460 10985,4460 11960,4460 12005,4460 12050,4460 12100,4460 12140,4460 12350,4460 12395,4460 12440,4460 12490,4460 12530,4460 1590,4465 2470,4470 10445,4495 10490,4495 10535,4495 10585,4495 10625,4495 10805,4500 10850,4500 10895,4500 10945,4500 10985,4500 11960,4500 12005,4500 12050,4500 12100,4500 12140,4500 12350,4500 12395,4500 12440,4500 12490,4500 12530,4500 3760,4540 2475,4700 10205,4710 10235,4710 10265,4710 10290,4710 11715,4710 11745,4710 11775,4710 11800,4710 10805,4725 10850,4725 10895,4725 10945,4725 10985,4725 11955,4730 12000,4730 12135,4730 12355,4735 12400,4735 12445,4735 12495,4735 12535,4735 10290,4740 10440,4740 10485,4740 10530,4740 10580,4740 10620,4740 11715,4740 11745,4740 11775,4740 11800,4740 10805,4765 10850,4765 10895,4765 10945,4765 10985,4765 11955,4770 12000,4770 12135,4770 12355,4775 12400,4775 12445,4775 12495,4775 12535,4775 1580,4780 10440,4780 10485,4780 10530,4780 10580,4780 10620,4780 10805,4805 10850,4805 10895,4805 10945,4805 10985,4805 11955,4810 12000,4810 12135,4810 12355,4815 12400,4815 12445,4815 12495,4815 12535,4815 10440,4820 10485,4820 10530,4820 10620,4820 10805,4845 10850,4845 10895,4845 10945,4845 10985,4845 11955,4850 12000,4850 12135,4850 12355,4855 12400,4855 12445,4855 12495,4855 12535,4855 10440,4860 10485,4860 10530,4860 10620,4860 10850,4885 10895,4885 10945,4885 10985,4885 12685,4885 12715,4885 12745,4885 11955,4890 12000,4890 12095,4890 12355,4895 12400,4895 12445,4895 12495,4895 12535,4895 10440,4900 10485,4900 10530,4900 10620,4900 1610,4915 12685,4915 12715,4915 12745,4915 12770,4915 2450,4955 12800,4990 12840,4990 7235,5020 12800,5020 12840,5020 2520,5050 6710,5055 3970,5070 7160,5100 2690,5125 6665,5125 2565,5130 1585,5150 7305,5160 2750,5185 2890,5190 2400,5220 2730,5250 2800,5260 2835,5270 2890,5270 2460,5290 2395,5300 7005,5300 7315,5300 2845,5340 7175,5340 2330,5350 2490,5365 1620,5410 2885,5415 2540,5420 1750,5470 7210,5505 1810,5520 1620,5530 1830,5540 1920,5555 1680,5575 6800,5580 2060,5600 2140,5600 2777.42,5600 1790,5610 7320,5610 2530,5615 6880,5620 1750,5640 1675,5660 1875,5660 6890,5670 7170,5685 6770,5695 1990,5700 1850,5715 2075,5720 2160,5720 7070,5755 2540,5765 1940,5800 2115,5800 6745,5800 1850,5805 5495,5840 6945,5840 2505,5895 2130,5905 5555,5905 2095,5915 2435,5920 6870,5925 2290,5935 2325,5950 2825,5950 5810,5960 5620,5980 2410,5985 2530,5990 2900,6005 2200,6010 2990,6010 6210,6035 2335,6060 5815,6060 2825,6065 2835,6065 2615,6085 2470,6090 2880,6090 2970,6090 2770,6135 2680,6165 2845,6195 2895,6200 2585,6220 2735,6280 2680,6290 2865,6340 2770,6370 4600,8400 3200,8405 7125,8420 6950,8465 7690,8483.5 7895,8500 5980,8530 7365,8535 7270,8550 6950,8555 7150,8565 7280,8580 8050,8580 6855,8620 7930,8665 7090,8705 7860,8725 5945,8760 7160,8760 3310,8785 7000,8785 8000,8795 3380,8810 7940,8880 5930,8890 7970,8890 7890,8905 7945,8905 6910,8925 7105,8930 3350,8940 8075,8950 12480,8995 12520,8995 12570,8995 12615,8995 12660,8995 10575,9000 10615,9000 10665,9000 10710,9000 10755,9000 10965,9000 11005,9000 11055,9000 11100,9000 11145,9000 12120,9000 12160,9000 12210,9000 12255,9000 12300,9000 3300,9010 12480,9035 12520,9035 12570,9035 12615,9035 12660,9035 7160,9040 10575,9040 10615,9040 10665,9040 10710,9040 10755,9040 10965,9040 11005,9040 11055,9040 11100,9040 11145,9040 12120,9040 12160,9040 12210,9040 12255,9040 12300,9040 6990,9055 6030,9070 5930,9075 12480,9075 12520,9075 12570,9075 12615,9075 12660,9075 7890,9080 10575,9080 10615,9080 10665,9080 11055,9080 11100,9080 11145,9080 12120,9080 12160,9080 12210,9080 6355,9100 6665,9100 8000,9100 12480,9115 12520,9115 12570,9115 12615,9115 12660,9115 3920,9120 10575,9120 10615,9120 10665,9120 10710,9120 10755,9120 10965,9120 11005,9120 11055,9120 11100,9120 11145,9120 12120,9120 12160,9120 12210,9120 12255,9120 12300,9120 12480,9155 12520,9155 12570,9155 12615,9155 12660,9155 10575,9160 10615,9160 10665,9160 10710,9160 10755,9160 10965,9160 11005,9160 11055,9160 11100,9160 11145,9160 12120,9160 12160,9160 12210,9160 12255,9160 12300,9160 8110,9165 7230,9170 5940,9240 11305,9370 11330,9370 11360,9370 11390,9370 12815,9370 12840,9370 12870,9370 12900,9370 12120,9385 12160,9385 12210,9385 12255,9385 12300,9385 10970,9390 11105,9390 11150,9390 10570,9395 10610,9395 10660,9395 10705,9395 10750,9395 7225,9400 11305,9400 11330,9400 11360,9400 11390,9400 12485,9400 12525,9400 12575,9400 12620,9400 12665,9400 12815,9400 12120,9425 12160,9425 12210,9425 12255,9425 12300,9425 10970,9430 11105,9430 11150,9430 10570,9435 10610,9435 10660,9435 10705,9435 10750,9435 12485,9440 12525,9440 12575,9440 12620,9440 12665,9440 12120,9465 12160,9465 12210,9465 12255,9465 12300,9465 10970,9470 11105,9470 11150,9470 10570,9475 10610,9475 10660,9475 10705,9475 10750,9475 8120,9480 12485,9480 12575,9480 12620,9480 12665,9480 12120,9505 12160,9505 12210,9505 12255,9505 12300,9505 10970,9510 11105,9510 11150,9510 10570,9515 10610,9515 10660,9515 10705,9515 10750,9515 12485,9520 12575,9520 12620,9520 12665,9520 10360,9545 10390,9545 10420,9545 12120,9545 12160,9545 12210,9545 12255,9545 11010,9550 11105,9550 11150,9550 10570,9555 10610,9555 10660,9555 10705,9555 10750,9555 12485,9560 12575,9560 12620,9560 12665,9560 10335,9575 10360,9575 10390,9575 10420,9575 8090,9615 10265,9650 10305,9650 7250,9655 10265,9680 10305,9680 2465,9720 7180,9750 2990,9755 5730,9770 2540,9800 3035,9825 7010,9825 7135,9830 8115,9850 2395,9860 6950,9885 6810,9890 7300,9920 6970,9950 6900,9960 6810,9970 6865,9970 7240,9990 2385,10000 2695,10000 7305,10000 2525,10040 6855,10040 7370,10050 7210,10065 8080,10110 6815,10115 7160,10120 7950,10170 2490,10205 7890,10220 8080,10230 7870,10240 7780,10255 8020,10275 2900,10280 6922.58,10300 7560,10300 7640,10300 2380,10310 7910,10310 7170,10315 2820,10320 7950,10340 7825,10360 8025,10360 2810,10370 2530,10385 2930,10395 7710,10400 7850,10415 7540,10420 7625,10420 2630,10455 7160,10465 2955,10500 7585,10500 7760,10500 7850,10505 2755,10540 4205,10540 7195,10595 4145,10605 7570,10605 7605,10615 7265,10620 2830,10625 7410,10635 6875,10650 7375,10650 3890,10660 4080,10680 7290,10685 7170,10690 6800,10705 6710,10710 7500,10710 3490,10735 3885,10760 7365,10760 6865,10765 6875,10765 7085,10785 6730,10790 6820,10790 7230,10790 6930,10835 7020,10865 6855,10895 6805,10900 7115,10920 6965,10980 7020,10990 6835,11040 6930,11070
  other v4: 2202.28,4245.35 6670.79,4245.35 4436.54,6213.86 3029.21,8945.35 7497.72,8945.35 5263.46,10913.86

## Keep-outs
Keep-Out Layer:
  lines w10: 8450,7195 8465,7210 ; 735,565 750,550 16955,550 16955,12420 735,12420 735,565

## Silkscreen, mask and mechanical layers (free items; w line width, h text height)
Top Overlay:
  drawing of 182 lines, arcs and shapes, not listed
  text "B18" at 3785,6400 h20 r270
  text "B16" at 3890,6400 h20 r270
  text "A19" at 4190,6400 h20 r270
  text "D6" at 4605,6395 h30 r270
  text "D4" at 4705,6395 h30 r270
  text "D2" at 4805,6395 h30 r270
  text "B3" at 3990,6385 h20 r270
  text "B1" at 4095,6385 h20 r270
  text "GND" at 6070,6380 h30 r180
  text "5V" at 6255,6125 h30 r180
  text "B19" at 3780,6120 h20 r270
  text "B17" at 3885,6120 h20 r270
  text "B9" at 3985,6115 h20 r270
  text "B2" at 4085,6115 h20 r270
  text "B0" at 4185,6115 h20 r270
  text "D7" at 4600,6115 h30 r270
  text "D5" at 4700,6115 h30 r270
  text "D3" at 4800,6115 h30 r270
  text "G" at 4305,6070 h30
  text "C1" at 4400,6070 h30
  text "C2" at 4495,6070 h30
  text "+" at 12480,6045 h60
  text "-" at 12720,6040 h60
  text "G" at 11835,5970 h60
  text "RXD" at 2735,5840 h60
  text "3.3V" at 2480,5775 h30 r270
  text "GND" at 2205,5765 h30 r270
  text "TXD" at 2730,5740 h60
  text "GND" at 2730,5640 h60
  text "GND" at 4305,5575 h30
  text "VCC" at 2730,5545 h60
  text "TXD" at 4305,5475 h30
  text "G" at 11560,5415 h60
  text "RXD" at 4305,5370 h30
  text "+" at 6630,5285 h30
  text "PTA16" at 2895,5140 h30 r270
  text "PTA15" at 3005,5140 h30 r270
  text "PTA14" at 3120,5140 h30 r270
  text "WIFI_SET" at 1660,5015 h30 r270
  text "6V" at 4655,4660 h30
  text "G" at 4770,4660 h30
  text "G" at 5140,4570 h30
  text "5V" at 5225,4570 h30
  text "-" at 7080,4510 h80 r270
  text "12V" at 5090,4480 h30
  text "M22" at 5190,4480 h30
  text "M21" at 5295,4480 h30
  text "M12" at 5390,4480 h30
  text "M11" at 5500,4480 h30
  text "G" at 5620,4480 h30
  text "+" at 7075,4275 h80 r270
  text "+" at 6555,4050 h80 r270
  text "-" at 6325,3985 h80
Bottom Overlay:
  drawing of 182 lines, arcs and shapes, not listed
  text "A19" at 5510,11100 h20 r90
  text "B16" at 5810,11100 h20 r90
  text "B18" at 5915,11100 h20 r90
  text "D2" at 4895,11095 h30 r90
  text "D4" at 4995,11095 h30 r90
  text "D6" at 5095,11095 h30 r90
  text "B1" at 5605,11085 h20 r90
  text "B3" at 5710,11085 h20 r90
  text "GND" at 3630,11080 h30 r180
  text "5V" at 3445,10825 h30 r180
  text "B17" at 5815,10820 h20 r90
  text "B19" at 5920,10820 h20 r90
  text "D3" at 4900,10815 h30 r90
  text "D5" at 5000,10815 h30 r90
  text "D7" at 5100,10815 h30 r90
  text "B0" at 5515,10815 h20 r90
  text "B2" at 5615,10815 h20 r90
  text "B9" at 5715,10815 h20 r90
  text "C2" at 5205,10770 h30
  text "C1" at 5300,10770 h30
  text "G" at 5395,10770 h30
  text "+" at 10625,10705 h60
  text "-" at 10385,10700 h60
  text "G" at 11270,10630 h60
  text "RXD" at 6965,10540 h60
  text "3.3V" at 7220,10475 h30 r90
  text "GND" at 7495,10465 h30 r90
  text "TXD" at 6970,10440 h60
  text "GND" at 6970,10340 h60
  text "GND" at 5395,10275 h30
  text "VCC" at 6970,10245 h60
  text "TXD" at 5395,10175 h30
  text "G" at 11545,10075 h60
  text "RXD" at 5395,10070 h30
  text "+" at 3070,9985 h30
  text "PTA14" at 6580,9840 h30 r90
  text "PTA15" at 6695,9840 h30 r90
  text "PTA16" at 6805,9840 h30 r90
  text "WIFI_SET" at 8040,9715 h30 r90
  text "G" at 4930,9360 h30
  text "6V" at 5045,9360 h30
  text "5V" at 4475,9270 h30
  text "G" at 4560,9270 h30
  text "-" at 2620,9210 h80 r90
  text "G" at 4080,9180 h30
  text "M11" at 4200,9180 h30
  text "M12" at 4310,9180 h30
  text "M21" at 4405,9180 h30
  text "M22" at 4510,9180 h30
  text "12V" at 4610,9180 h30
  text "+" at 2625,8975 h80 r90
  text "+" at 3145,8750 h80 r90
  text "-" at 3375,8685 h80

## Text inside footprints (layer, text, board x,y; h text height)
1: Top Overlay "6" at 2385,5465 h40 r270; Top Overlay "5" at 2285,5465 h40 r270; Top Overlay "2" at 2385,5825 h40 r270
1_1: Bottom Overlay "6" at 7315,10165 h40 r90; Bottom Overlay "5" at 7415,10165 h40 r90; Bottom Overlay "2" at 7315,10525 h40 r90; Bottom Overlay "1" at 7415,10515 h40 r90
2: Top Overlay "6" at 5970,6210 h40 r180; Top Overlay "5" at 5970,6310 h40 r180; Top Overlay "1" at 6320,6310 h40 r180
2_1: Bottom Overlay "6" at 3730,10910 h40 r180; Bottom Overlay "5" at 3730,11010 h40 r180; Bottom Overlay "2" at 3370,10910 h40 r180; Bottom Overlay "1" at 3380,11010 h40 r180
CORE2: Top Overlay "6" at 4555,6200 h40 r180; Top Overlay "5" at 4555,6300 h40 r180; Top Overlay "2" at 4915,6200 h40 r180; Top Overlay "1" at 4905,6300 h40 r180
CORE2_1: Bottom Overlay "6" at 5145,10900 h40 r180; Bottom Overlay "5" at 5145,11000 h40 r180; Bottom Overlay "2" at 4785,10900 h40 r180; Bottom Overlay "1" at 4795,11000 h40 r180
CORE3: Top Overlay "2" at 4285,6205 h40 r180; Top Overlay "1" at 4275,6305 h40 r180; Top Overlay "9" at 3735,6305 h40 r180; Top Overlay "10" at 3735,6205 h40 r180
CORE3_1: Bottom Overlay "2" at 5415,10905 h40 r180; Bottom Overlay "1" at 5425,11005 h40 r180; Bottom Overlay "9" at 5965,11005 h40 r180; Bottom Overlay "10" at 5965,10905 h40 r180
ECM1: Top Overlay "6" at 4455,4830 h40; Top Overlay "5" at 4455,4730 h40; Top Overlay "2" at 4095,4830 h40; Top Overlay "1" at 4105,4730 h40
ECM1_1: Bottom Overlay "6" at 5245,9530 h40; Bottom Overlay "5" at 5245,9430 h40; Bottom Overlay "2" at 5605,9530 h40; Bottom Overlay "1" at 5595,9430 h40
ECM2: Top Overlay "6" at 5895,6280 h40; Top Overlay "5" at 5895,6180 h40; Top Overlay "2" at 5535,6280 h40; Top Overlay "1" at 5545,6180 h40
ECM2_1: Bottom Overlay "6" at 3805,10980 h40; Bottom Overlay "5" at 3805,10880 h40; Bottom Overlay "2" at 4165,10980 h40; Bottom Overlay "1" at 4155,10880 h40
JTAG_A1: Top Overlay "2" at 5590,5150 h40 r90; Top Overlay "1" at 5690,5160 h40 r90; Top Overlay "9" at 5690,5700 h40 r90; Top Overlay "10" at 5590,5700 h40 r90
JTAG_A1_1: Bottom Overlay "2" at 4110,9850 h40 r270; Bottom Overlay "1" at 4010,9860 h40 r270; Bottom Overlay "9" at 4010,10400 h40 r270; Bottom Overlay "10" at 4110,10400 h40 r270
JTAG_B1: Top Overlay "2" at 2695,5060 h40 r270; Top Overlay "1" at 2595,5050 h40 r270; Top Overlay "9" at 2595,4510 h40 r270; Top Overlay "10" at 2695,4510 h40 r270
JTAG_B1_1: Bottom Overlay "2" at 7005,9760 h40 r90; Bottom Overlay "1" at 7105,9750 h40 r90; Bottom Overlay "9" at 7105,9210 h40 r90; Bottom Overlay "10" at 7005,9210 h40 r90
OLED1: Top Overlay "OLED 1.3-128*64" at 7520,4480 h100 r90
OLED1_1: Bottom Overlay "OLED 1.3-128*64" at 2180,9180 h100 r270
USR-C1: Top Overlay "ATT" at 1635,4525 h40
USR-C1_1: Bottom Overlay "ATT" at 8065,9225 h40